# Altium PCB E-Nose&Alphasense.PcbDoc
Units mm, origin at the board's own origin, x right, y up, seen from the top; angles counter-clockwise.
Board outline 95.89 x 71.91 mm, 2 copper layers (Top Layer, Bottom Layer); 136 components, 70 nets, 400 pads, 278 vias.
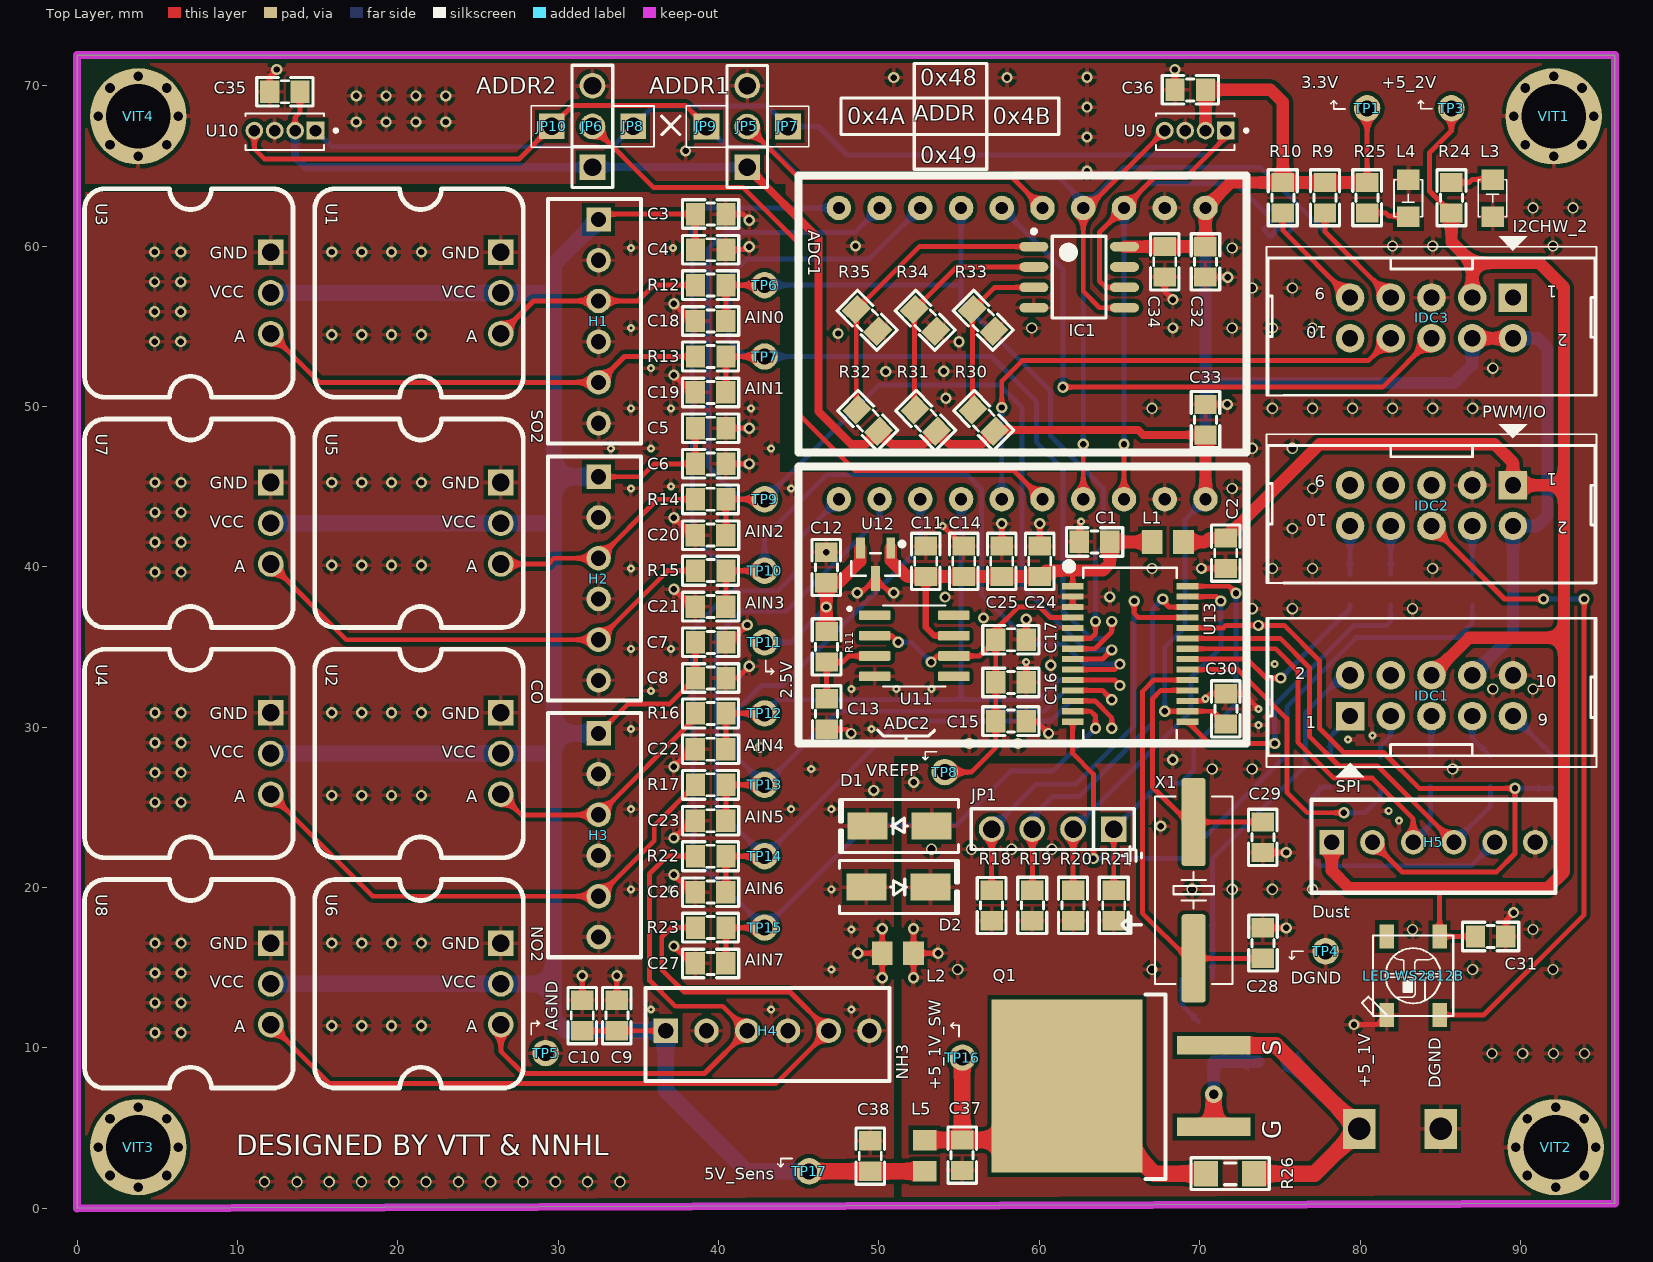
[diagram p0: Top Layer view]
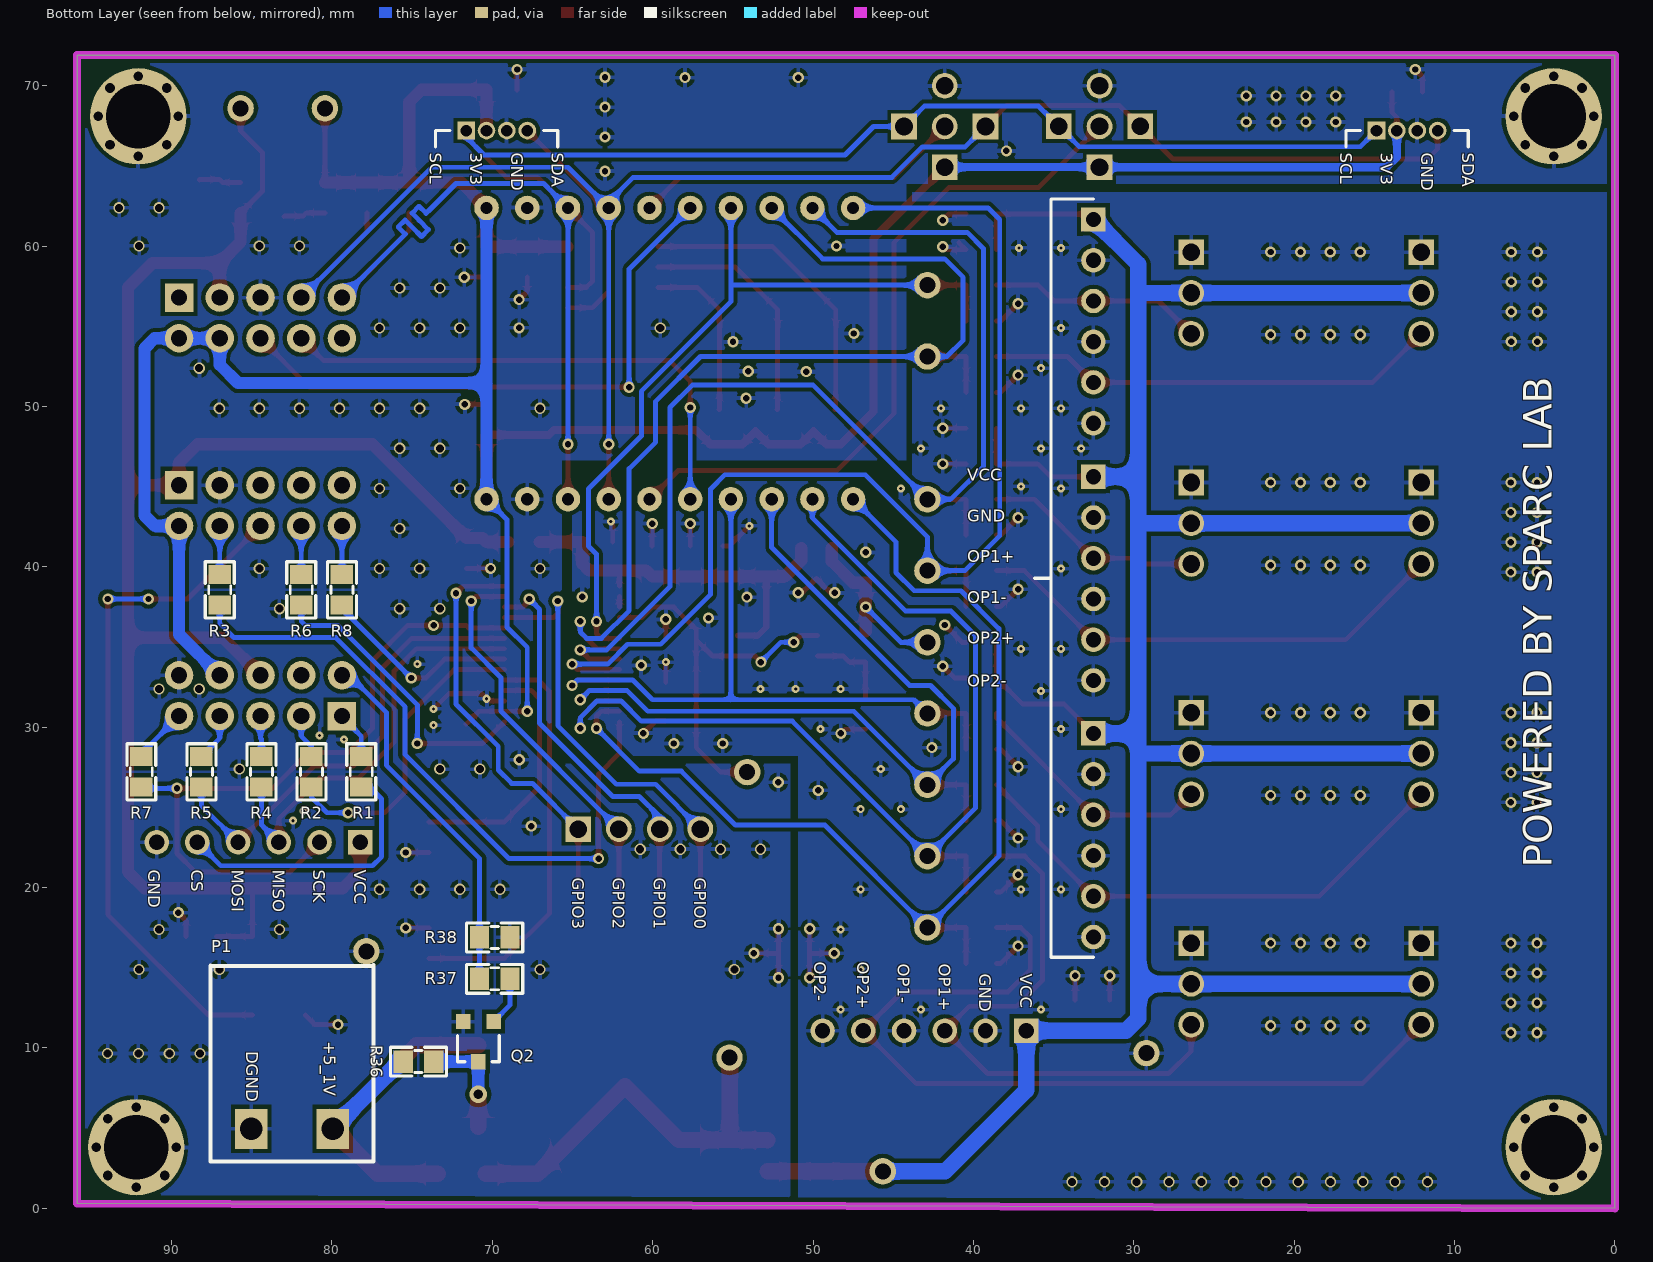
[diagram p1: Bottom Layer view, seen from below]

## Layer stack, top to bottom
Top Solder: solder mask 0.0102, Solder Resist, Dk 3.5
Top Layer: signal copper 0.0356
Dielectric 1: dielectric 0.32, FR-4, Dk 4.8
Bottom Layer: signal copper 0.0356
Bottom Solder: solder mask 0.0102, Solder Resist, Dk 3.5

## Board outline
0,0 0,71.907 95.885,71.907 95.885,0.303

## Design rules (kind name [scope] priority, off if disabled: settings)
Clearance [All] p1: gap=0.254 ignorepadtopadclearanceinfootprint=FALSE except(0: Arc-Hole Track-Hole SMDPad-Hole THPad-Hole Via-Hole Fill-Hole Poly-Hole Region-Hole Text-Hole; 0.305: Arc-Arc Arc-Track Track-Track)
ComponentClearance [All] p1: gap=0 collisioncheckmode=3 verticalgap=0.254 showdistances=FALSE
PolygonConnect [All] p1: connectstyle=Relief reliefconductorwidth=0.254 reliefentries=4 polygonreliefangle="90 Angle" airgapwidth=0.254
RoutingVias [All] p1: holewidth=0.4 width=0.7 viastyle="Through Hole" minholewidth=0.2 minwidth=0.5 maxholewidth=0.6 maxwidth=1.1
SolderMaskExpansion [All] p1: expansion=0.102
Width [All] p1: maxlimit=1.016 minlimit=0.305 preferedwidth=0.762
29 further rules are at their usual default settings.

## Classes and differential pairs
component class [5]EEPROM: C34 IC1 R30 R31 R32 R33 R34 R35
component class [4]ADC&Filter: ADC1 ADC2 C11 C12 C13 C14 C15 C16 C17 C18 C19 C20 C21 C22 C23 C24 C25 C26 C27 C28 C29 C30 C32 C33 JP1 JP5 JP6 JP7 JP8 JP9 JP10 R11 R12 R13 R14 R15 R16 R17 R18 R19 R20 R21 R22 R23 TP6 TP7 TP8 TP9 TP10 TP11 TP12 TP13 TP14 TP15 U11 U12 U13 X1
component class [3]Sensor: C3 C4 C5 C6 C7 C8 C9 C10 C35 C36 H1 H2 H3 H4 H5 U1 U2 U3 U4 U5 U6 U7 U8 U9 U10
component class [2]IDC_Terminal: C1 C2 C31 C37 C38 D1 D2 IDC1 IDC2 IDC3 L1 L2 L3 L4 L5 "LED WS2812B" P1 Q1 Q2 R1 R2 R3 R4 R5 R6 R7 R8 R9 R10 R24 R25 R26 R36 R37 R38 TP1 TP3 TP4 TP5 TP16 TP17
component class [1]SheetMain: VIT1 VIT2 VIT3 VIT4

## Components (designator, comment, footprint, x,y, rotation, side; value= is the part's Value field where it differs from the comment)
ADC1 "ADS1115 Module" ADS1115 58.958,56.082 r270 top locked
ADC2 "ADS1115 Module" ADS1115 58.958,37.921 r270 top locked
C1 "105" "tu 0805" 63.443,41.551 r180 top
C2 "105" "tu 0805" 71.628,40.859 r270 top
C3 "103" "tu 0805" 39.5,62.004 r0 top
C4 "104" "tu 0805" 39.5,59.779 r0 top
C5 "103" "tu 0805" 39.5,48.65 r0 top
C6 "104" "tu 0805" 39.5,46.425 r0 top
C7 "103" "tu 0805" 39.5,35.296 r0 top
C8 "104" "tu 0805" 39.5,33.07 r0 top
C9 "103" "tu 0805" 33.652,12.02 r90 top
C10 "104" "tu 0805" 31.489,12.02 r90 top
C11 "104" "tu 0805" 52.913,40.341 r90 top
C12 "106" "tu 0805" 46.714,39.96 r90 top
C13 "105" "tu 0805" 46.739,30.829 r270 top
C14 "104" "tu 0805" 55.284,40.341 r90 top
C15 "476" "tu 0805" 58.228,30.381 r0 top
C16 "104" "tu 0805" 58.228,32.794 r0 top
C17 "106" "tu 0805" 58.228,35.461 r0 top
C18 "104" "tu 0805" 39.5,55.327 r180 top
C19 "104" "tu 0805" 39.5,50.876 r180 top
C20 "104" "tu 0805" 39.5,41.973 r180 top
C21 "104" "tu 0805" 39.5,37.522 r180 top
C22 "104" "tu 0805" 39.5,28.619 r180 top
C23 "104" "tu 0805" 39.5,24.168 r180 top
C24 "106" "tu 0805" 60.025,40.341 r90 top
C25 "104" "tu 0805" 57.655,40.341 r90 top
C26 "104" "tu 0805" 39.5,19.716 r180 top
C27 "104" "tu 0805" 39.5,15.265 r180 top
C28 "18pF" "tu 0805" 73.945,16.541 r270 top
C29 "18pF" "tu 0805" 73.938,23.133 r90 top
C30 "105" "tu 0805" 71.628,31.14 r90 top
C31 "104" "tu 0805" 88.138,16.953 r0 top
C32 "105" "tu 0805" 70.361,59.023 r270 top
C33 "105" "tu 0805" 70.358,49.174 r90 top
C34 "105" "tu 0805" 67.818,59.023 r90 top
C35 "104" "tu 0805" 12.954,69.621 r180 top
C36 "104" "tu 0805" 69.416,69.745 r180 top
C37 "105" "tu 0805" 55.189,3.316 r270 top
C38 "105" "tu 0805" 49.452,3.251 r90 top
D1 "SS14" "DIODE SMA" 51.278,23.839 r180 top
D2 "SS14" "DIODE SMA" 51.211,20.029 r0 top
H1 "SO2" "Molex 6p" 32.512,61.661 r270 top
H2 "CO" "Molex 6p" 32.512,45.618 r270 top
H3 "NO2" "Molex 6p" 32.512,29.616 r270 top
H4 "NH3" "Molex 6p" 36.703,11.074 r0 top
H5 "Dust" "Molex 6p" 78.232,22.823 r0 top
IC1 "24Cxx" SO8 62.484,58.064 r0 top
IDC1 "SPI" IDC10 84.455,32.094 r0 top value="Header 5x2"
IDC2 "PWM/IO" IDC10 84.455,43.694 r180 top value="Header 5x2"
IDC3 "I2CHW_2" IDC10 84.455,55.397 r180 top value="Header 5x2"
JP1 "ADS_GPIO_Pinout" "JP 1x4 DT" 64.643,23.647 r180 top
JP5 "JP 1x3 2.54" "JP 1x3 DT" 41.783,64.922 r90 top
JP6 "JP 1x3 2.54" "JP 1x3 DT" 32.131,64.927 r90 top
JP7 "JP 1x1 2.54" "JP 1x1 DT" 44.323,67.462 r0 top
JP8 "JP 1x1 2.54" "JP 1x1 DT" 34.671,67.467 r0 top
JP9 "JP 1x1 2.54" "JP 1x1 DT" 39.243,67.462 r90 top
JP10 "JP 1x1 2.54" "JP 1x1 DT" 29.591,67.467 r90 top
L1 "10uH" "Inductor 0805" 68.015,41.551 r0 top
L2 "10uH" "Inductor 0805" 51.181,15.9 r180 top
L3 "LED 0805" LED-0805-Red 88.265,64.13 r270 top
L4 "LED 0805" LED-0805-Red 83.007,61.844 r90 top
L5 "10uH" "Inductor 0805" 52.841,3.279 r90 top
"LED WS2812B" "LED WS2812B" LED-WS2812B 83.312,14.503 r90 top
P1 "CON 2 EDG5.08" "CON 2 2EDG5.08" 85.031,4.953 r180 bottom
Q1 "IRF9540 TO-263" TO-263-3_MOSFET 66.297,7.62 r90 top
Q2 "2N222" SOT23-231 70.872,10.394 r0 bottom value=C1815
R1 "100R" "tro smd 0805" 78.232,27.215 r90 bottom
R2 "100R" "tro smd 0805" 81.343,27.215 r90 bottom
R3 "100R" "tro smd 0805" 87.056,38.568 r90 bottom
R4 "100R" "tro smd 0805" 84.455,27.215 r90 bottom
R5 "100R" "tro smd 0805" 88.201,27.215 r90 bottom
R6 "100R" "tro smd 0805" 81.976,38.568 r90 bottom
R7 "100R" "tro smd 0805" 91.948,27.215 r90 bottom
R8 "100R" "tro smd 0805" 79.436,38.568 r90 bottom
R9 "4.7k" "tro smd 0805" 77.874,63.017 r270 top
R10 "4.7k" "tro smd 0805" 75.245,63.017 r270 top
R11 "10k" "tro smd 0805" 46.797,35.015 r270 top
R12 "1k" "tro smd 0805" 39.497,57.629 r0 top
R13 "1k" "tro smd 0805" 39.497,53.178 r0 top
R14 "1k" "tro smd 0805" 39.497,44.275 r0 top
R15 "1k" "tro smd 0805" 39.497,39.824 r0 top
R16 "1k" "tro smd 0805" 39.497,30.921 r0 top
R17 "1k" "tro smd 0805" 39.497,26.47 r0 top
R18 "10k" "tro smd 0805" 56.962,18.883 r90 top
R19 "10k" "tro smd 0805" 59.624,18.891 r270 top
R20 "10k" "tro smd 0805" 62.164,18.891 r270 top
R21 "10k" "tro smd 0805" 64.704,18.891 r270 top
R22 "1k" "tro smd 0805" 39.497,22.018 r0 top
R23 "1k" "tro smd 0805" 39.497,17.567 r0 top
R24 "1k" "tro smd 0805" 85.634,63.017 r90 top
R25 "330R" "Tro SMD 0805" 80.376,63.017 r90 top
R26 "0R" "tro smd 1206" 71.899,2.159 r180 top
R30 "0R" "tro smd 0805" 56.576,49.171 r315 top
R31 "0R" "tro smd 0805" 52.956,49.171 r315 top
R32 "0R" "tro smd 0805" 49.337,49.171 r315 top
R33 "0R" "tro smd 0805" 56.454,55.327 r135 top
R34 "0R" "tro smd 0805" 52.835,55.327 r135 top
R35 "0R" "tro smd 0805" 49.215,55.327 r135 top
R36 "1k" "tro smd 0805" 74.601,9.083 r0 bottom
R37 "1k" "tro smd 0805" 69.856,14.372 r180 bottom
R38 "10k" "tro smd 0805" 69.856,16.952 r180 bottom
TP1 "3.3V" pad_1.65x1.65_hole_1mm 80.437,68.595 r0 top
TP3 "+5_2V" pad_1.65x1.65_hole_1mm 85.695,68.595 r180 top
TP4 "DGND" pad_1.65x1.65_hole_1mm 77.851,16.027 r90 top
TP5 "AGND" pad_1.65x1.65_hole_1mm 29.21,9.677 r0 top
TP6 "AIN0" pad_1.65x1.65_hole_1mm 42.864,57.568 r90 top
TP7 "AIN1" pad_1.65x1.65_hole_1mm 42.864,53.117 r90 top
TP8 "VREFP" pad_1.65x1.65_hole_1mm 54.102,27.203 r90 top
TP9 "AIN2" pad_1.65x1.65_hole_1mm 42.864,44.214 r90 top
TP10 "AIN3" pad_1.65x1.65_hole_1mm 42.864,39.763 r90 top
TP11 "2.5V" pad_1.65x1.65_hole_1mm 42.867,35.293 r90 top
TP12 "AIN4" pad_1.65x1.65_hole_1mm 42.864,30.86 r90 top
TP13 "AIN5" pad_1.65x1.65_hole_1mm 42.864,26.409 r90 top
TP14 "AIN6" pad_1.65x1.65_hole_1mm 42.864,21.957 r90 top
TP15 "AIN7" pad_1.65x1.65_hole_1mm 42.864,17.506 r90 top
TP16 "+5_1V_SW" pad_1.65x1.65_hole_1mm 55.207,9.395 r90 top
TP17 "5V_Sens" pad_1.65x1.65_hole_1mm 45.649,2.306 r90 top
U1 "MEMS odor smell sensor" MEMS_odor_sensor 26.416,57.081 r90 top
U2 "MEMS odor smell sensor" MEMS_odor_sensor 26.416,28.357 r90 top
U3 "MEMS odor smell sensor" MEMS_odor_sensor 12.065,57.081 r90 top
U4 "MEMS odor smell sensor" MEMS_odor_sensor 12.065,28.357 r90 top
U5 "MEMS odor smell sensor" MEMS_odor_sensor 26.416,42.719 r90 top
U6 "MEMS odor smell sensor" MEMS_odor_sensor 26.416,13.995 r90 top
U7 "MEMS odor smell sensor" MEMS_odor_sensor 12.065,42.719 r90 top
U8 "MEMS odor smell sensor" MEMS_odor_sensor 12.065,13.995 r90 top
U9 "SHT85" XDCR_SHT85 69.726,67.208 r180 top
U10 "SHT85" XDCR_SHT85 12.954,67.208 r180 top
U11 "OPA350UA" "SOIC 8_127P599X175" 52.197,35.077 r0 top
U12 "REF2925" SOT23-DBZ3 49.784,40.157 r180 top
U13 "ADS1256IDBR - SSOPDB28" SSOPDB28 65.659,34.569 r0 top
VIT1 "1" "Screw Hole 4mm" 92.075,68.097 r0 top
VIT2 "1" "Screw Hole 4mm" 92.202,3.81 r0 top
VIT3 "1" "Screw Hole 4mm" 3.81,3.81 r0 top
VIT4 "1" "Screw Hole 4mm" 3.81,68.097 r0 top
X1 "7.68MHz" "Thach Anh 2 chan SMD" 69.623,19.837 r270 top value=4Mhz

## Footprints (in the part's own frame and the unit in brackets; to place one, negate y for a bottom-side part, rotate by r counter-clockwise, add the part's x,y. Pads: shape width x height; smd on the part's side, far side on the other; paste and mask are expansions set on the pad)
ADS1115 [mil] "ADS1115 Module Footprint"
  round 60 hole 30: 1(-248.03,448.82) 2(-248.03,348.82) 3(-248.03,248.82) 4(-248.03,148.82) 5(-248.03,48.82) 6(-248.03,-51.18) 7(-248.03,-151.18) 8(-248.03,-251.18) 9(-248.03,-351.18) 10(-248.03,-451.18)
  silkscreen extent -328,-550 352,550, body extent -328,-550 352,550, height 265
"CON 2 2EDG5.08" [mm]
  rect 2x2.5 hole 1.4: 1(0,0) 2(5.08,0)
  silkscreen extent -2.54,-2.03 7.62,10.21, body extent -2.5,-1.75 7.58,10.25, height 3.15
"DIODE SMA" [mm] "SMA"
  rect 2.5x1.7 smd: 1(-2,0) 2(2,0)
  silkscreen extent -3.68,-1.65 3.75,1.65, body extent -2.6,-1.37 2.6,1.37, height 2.4
IDC10 [mil]
  rect 70x70 hole 40: 1(-200,-55)
  round 70 hole 40: 2(-200,45) 3(-100,-55) 4(-100,45) 5(0,-55) 6(0,45) 7(100,-55) 8(100,45) 9(200,-55) 10(200,45)
  silkscreen extent -405,-205 405,186, body extent -400,-178 400,180, height 366
"Inductor 0805" [mm]
  rect 1.285x1.47 smd: 1(-0.973,0) 2(0.973,0)
  body extent -1,-0.63 1,0.63, height 1
"JP 1x1 DT" [mm] "1pins, 1 row, straight, gold plating"
  rect 1.6x1.6 hole 1.1: 1(0,0)
  silkscreen extent -1.3,-1.27 1.3,1.27, body extent -1.27,-1.27 1.27,1.27, height 8.54
"JP 1x3 DT" [mm]
  rect 1.6x1.6 hole 1.1: 1(0,0)
  round 1.6 hole 1.1: 2(2.54,0) 3(5.08,0)
  silkscreen extent -1.27,-1.27 6.35,1.27, body extent -1.27,-1.27 6.35,1.27, height 8.54
"JP 1x4 DT" [mm] "4 pins, 1 row, straight, gold plating"
  rect 1.6x1.6 hole 1.1: 1(0,0)
  round 1.6 hole 1.1: 2(2.54,0) 3(5.08,0) 4(7.62,0)
  silkscreen extent -1.27,-1.27 8.89,1.27, body extent -1.27,-1.27 8.89,1.27, height 8.54
LED-0805-Red [mil]
  rect 50x55 smd: 1(0,0) 2(90,0)
  silkscreen extent 0,-35 90,35, body extent 5,-25 85,25, height 43
LED-WS2812B [mm]
  rect 1.5x0.9 smd: 1-VDD(2.45,-1.65) 2-DOUT(2.45,1.65) 3-GND(-2.45,1.65) 4-DIN(-2.45,-1.65)
  silkscreen extent -2.5,-2.5 2.5,3.2, body extent -2.7,-2.54 2.7,2.46, height 1.6
MEMS_odor_sensor [mm] "DFRobot"
  rect 1.6x1.6 hole 1.1: 1(2.54,0)
  round 1.6 hole 1.1: 2(0,0) 3(-2.54,0)
  silkscreen extent -6.5,-1.4 6.5,11.6
"Molex 6p" [mil]
  rect 60x60 hole 37.4: 1(0,0)
  round 60 hole 37.4: 2(100,0) 3(200,0) 4(300,0) 5(400,0) 6(500,0)
  silkscreen extent -50,-124 550,105, body extent -50,-124 550,104, height 445
pad_1.65x1.65_hole_1mm [mm]
  round 1.65 hole 1: 1(0,0)
"Screw Hole 4mm" [mm]
  round 0.6 hole 0.6: 1(-2.5,0) 1(-1.768,-1.768) 1(-1.768,1.768) 1(0,-2.5) 1(0,2.5) 1(1.768,-1.768) 1(1.768,1.768) 1(2.5,0)
  round 6 hole 4: 1(0,0)
SO8 [mm] "SOIC, 8-Leads, Body 4.9x3.9mm, Pitch 1.27mm, IPC High Density"
  oval 1.8x0.6 smd: 1(-2.825,1.905) 2(-2.825,0.635) 3(-2.825,-0.635) 4(-2.825,-1.905) 5(2.825,-1.905) 6(2.825,-0.635) 7(2.825,0.635) 8(2.825,1.905)
  silkscreen extent -2.95,-2.55 1.68,2.98, body extent -2.99,-2.45 3,2.45, height 1.6
"SOIC 8_127P599X175" [mm]
  rrect25% 1.97x0.6 smd: 1(-2.47,1.905) 2(-2.47,0.635) 3(-2.47,-0.635) 4(-2.47,-1.905) 5(2.47,-1.905) 6(2.47,-0.635) 7(2.47,0.635) 8(2.47,1.905)
  silkscreen extent -4.14,-2.52 1.95,2.52, body extent -3,-2.45 3,2.45, height 1.75
SOT23-231 [mm]
  rect 0.9x0.95 smd mask+0: 1(0.95,-1.25)
  rect 0.9x0.95 smd: 2(-0.95,-1.25) 3(0,1.25)
  silkscreen extent -1.3,-0.38 1.3,1.25, body extent -1.52,-1.23 1.48,1.27, height 1.06
SOT23-DBZ3 [mil] "CASE: SOT23"
  rect 22x52 smd: 1(-37.4,-40) 2(37.4,-40)
  rect 22x62.5 smd: 3(0,34.75)
  silkscreen extent -70,-55 60,28, body extent -60,-27 60,27, height 44
SSOPDB28 [mil]
  rect 53x15 smd paste+0 mask+0: 1(-141,166.34) 2(-141,140.75) 3(-141,115.16) 4(-141,89.57) 5(-141,63.98) 6(-141,38.39) 7(-141,12.8) 8(-141,-12.8) 9(-141,-38.39) 10(-141,-63.98) 11(-141,-89.57) 12(-141,-115.16) 13(-141,-140.75) 14(-141,-166.34) 15(141,-166.34) 16(141,-140.75) 17(141,-115.16) 18(141,-89.57) 19(141,-63.98) 20(141,-38.39) 21(141,-12.8) 22(141,12.8) 23(141,38.39) 24(141,63.98) 25(141,89.57) 26(141,115.16) 27(141,140.75) 28(141,166.34)
  silkscreen extent -158,-212 115,223, body extent -161,-206 161,206, height 79
"Thach Anh 2 chan SMD" [mm] "SMD Crystal HC49/US-SM package"
  round 0.508 on Mech15: 0(0,0)
  rrect25% 5.5x1.5 smd: 1(-4.25,0) 2(4.25,0)
  silkscreen extent -5.84,-2.41 5.84,2.41, body extent -6.4,-2.41 6.4,2.42, height 4.29
TO-263-3_MOSFET [mm] "CASE: TO-263"
  rect 1.15x4.6 smd: 1(-2.54,-4.575) 3(2.54,-4.575)
  rect 10.8x9.4 smd: 2(0,4.575)
  silkscreen extent -5.79,-1.57 5.71,-0.32, body extent -5.05,-6.47 5.05,8.92, height 4.51
"tro smd 0805" [mm]
  rect 1.2x1.4 smd: 1(-0.946,-0.061) 2(0.954,-0.061)
  silkscreen extent -1.75,-0.97 1.75,0.84, body extent -1.56,-0.76 1.44,0.64, height 0.53
"Tro SMD 0805" [mm]
  rect 1.2x1.4 smd: 1(-0.946,-0.061) 2(0.954,-0.061)
  silkscreen extent -1.75,-0.97 1.75,0.84, body extent -1.56,-0.76 1.44,0.64, height 0.53
"tro smd 1206" [mm]
  rect 1.5x1.6 smd: 1(-1.5,0) 2(1.5,0)
  silkscreen extent -2.44,-0.99 2.44,0.99, body extent -1.6,-0.8 1.6,0.8, height 0.6
"tu 0805" [mm] "Compoment SMD 80x50mil"
  rect 1.2x1.4 smd: 1(-0.946,-0.003) 2(0.954,-0.003)
  silkscreen extent -1.75,-0.89 1.75,0.89, body extent -1.01,-0.64 1.01,0.63, height 0.61
XDCR_SHT85 [mm]
  rect 1.1x1.1 hole 0.72: 1(-1.905,0)
  round 1.1 hole 0.72: 2(-0.635,0) 3(0.635,0) 4(1.905,0)
  silkscreen extent -3.27,-1.05 2.45,1.2, body extent -2.54,-1.05 2.54,1.2, height 14.88

## Part data
ADC1 ADC2: library part "ADS1115 Module ADC"
C1 C2 C13 C30 C32 C33 C34 C37 C38: library part "Tu 0805 105 50V 10%", "Dán", Chung_Loai=Dán, Don_Vi=Con, Ma_Hang=MH004552, So_Chan=2, Ten_Linh_Kien="T? 0805 105-1uF 10% 50V"
C3 C5 C7 C9: library part "Tu 0805 103 50V 10%_1", "Dán", Chung_Loai=Dán, Don_Vi=Con, Ma_Hang=MH004549, So_Chan=2, Ten_Linh_Kien="T? 0805 102-1nF 10% 50V"
C4 C6 C8 C10 C11 C14 C16 C18 C19 C20 C21 C22 C23 C25 C26 C27 C31 C35 C36: library part "Tu 0805 104 50V 10%", "Dán", Chung_Loai=Dán, Don_Vi=Con, Ma_Hang=MH004551, So_Chan=2, Ten_Linh_Kien="T? 0805 104-100nF 10% 50V"
C12 C17 C24: library part "Tu 0805 106 16V 10%", "Dán", Chung_Loai=Dán, Don_Vi=Con, Ma_Hang=MH004553, So_Chan=2, Ten_Linh_Kien="T? 0805 106-10uF 10% 16V"
C15: library part "Tu 0805 475 25V 20%", "Dán", Chung_Loai=Dán, Don_Vi=Con, Ma_Hang=MH004276, So_Chan=2, Ten_Linh_Kien="T? 0805 475-4.7uF 20% 25V"
C28 C29: library part "Tu 0805 18pF 50V 10%_1", "Dán", Chung_Loai=Dán, Don_Vi=Con, Ma_Hang=MH004558, So_Chan=2, Ten_Linh_Kien="T? 0805 20P 10% 50V"
D1 D2: library part "Diode SS14 ( 1N5819)", "Dán", Chung_Loai=Dán, Don_Vi=Con, Ma_Hang=MH002211, Ten_Linh_Kien="Diode SS14 DO214 Schottky 1A 40V ( 1N5819 DO214)"
H1 H2 H3 H4 H5: library part "Molex 6p"
IC1: "Standard 2-Wire Bus Interface Serial EEPROM", Copyright by=VanDungEvn
IDC1 IDC2 IDC3: library part "IDC 5X2"
JP1: library part "JP 1x4 2.54 Duc Thang", "C?m", Chung_Loai=C?m, Don_Vi=Con, Ma_Hang=MH000903, Ten_Linh_Kien="Jump Ðon Ð?c 2.54MM 1x40P Th?ng 11MM"
JP5 JP6: library part "JP 1x3 2.54 Duc Thang", "C?m", Chung_Loai=C?m, Don_Vi=Con, Ma_Hang=MH000903, Ten_Linh_Kien="Jump Ðon Ð?c 2.54MM 1x40P Th?ng 11MM"
JP7 JP8 JP9 JP10: library part "JP 1x1 2.54 Duc Thang", "C?m", Chung_Loai=C?m, Don_Vi=Con, Ma_Hang=MH000903, Ten_Linh_Kien="Jump Ðon Ð?c 2.54MM 1x40P Th?ng 11MM"
L1 L2 L5: library part "Cuon cam 0805", "1.5µH Unshielded Multilayer Inductor 700mA 220mOhm 0805 (2012 Metric)", Package="0805 Laird", Availability="Not in stock", Check_prices=https://www.snapeda.com/parts/CPI0805G1R5R-10/Laird/view-part/5881135/?ref=eda, MF=Laird, MP=CPI0805G1R5R-10, Price=None, SnapEDA_Link=https://www.snapeda.com/parts/CPI0805G1R5R-10/Laird/view-part/5881135/?ref=snap
L3 L4: library part "LED 0805 Do", "Dán", Chung_Loai=Dán, Don_Vi=Con, Ma_Hang=MH000897, Ten_Linh_Kien="LED 0805 Màu Ð? (Red)"
P1: "C?m", Chung_Loai=C?m, Don_Vi=Con, Ma_Hang=MH000759, Ten_Linh_Kien="CON 2 2EDG5.08-2P 5.08MM ( Xanh Cong)"
Q1: library part "IRF9540 SMD", "P-Channel Power MOSFET", ComponentLink1Description="Manufacturer Link", ComponentLink1URL=http://www.irf.com/, ComponentLink2Description=Datasheet, ComponentLink2URL=http://www.irf.com/product-info/datasheets/data/irf9540.pdf, DatasheetVersion=PD-9.421C, LatestRevisionDate=17-Jul-2002, LatestRevisionNote="Re-released for DXP Platform.", Note="Pin 2 is electrically connected to pin 4.", PackageDescription="TO, Thru-Hole, Vertical, Heatsink Mounted; 3 In-Line Leads; Pitch 2.54 mm", PackageReference=TO-220AB, PackageVersion=Feb-1997, Published=8-Jun-2000, Publisher="Altium Limited"
Q2: "NPN 600mW, ECB", =C2383
R1 R2 R3 R4 R5 R6 R7 R8: library part "Tro 0805 5% 100R", "Dán", Chung_Loai=Dán, Don_Vi=Con, Ma_Hang=MH005251, So_Chan=2, Ten_Linh_Kien="Tr? 0805 5% 100R"
R9 R10: library part "Tro 0805 5% 4.7k", "Dán", Chung_Loai=Dán, Don_Vi=Con, Ma_Hang=MH005307, So_Chan=2, Ten_Linh_Kien="Tr? 0805 5% 4.7k"
R11 R18 R19 R20 R21 R38: library part "Tro 0805 1% 10k", "Dán", Chung_Loai=Dán, Don_Vi=Con, Ma_Hang=MH005473, So_Chan=2, Ten_Linh_Kien="Tr? 0805 1% 10k"
R12 R13 R14 R15 R16 R17 R22 R23 R36 R37: library part "Tro 0805 1% 1k", "Dán", Chung_Loai=Dán, Don_Vi=Con, Ma_Hang=MH005468, So_Chan=2, Ten_Linh_Kien="Tr? 0805 1% 1k"
R24: library part "Tro 0805 5% 1k", "Dán", Chung_Loai=Dán, Don_Vi=Con, Ma_Hang=MH005234, So_Chan=2, Ten_Linh_Kien="Tr? 0805 5% 1k"
R25: library part "Tro 0805 5% 330R", "Dán", Chung_Loai=Dán, Don_Vi=Con, Ma_Hang=MH005337, So_Chan=2, Ten_Linh_Kien="Tr? 0805 5% 330R"
R26: library part "Tro 1206 5% 0R", "Dán", Chung_Loai=Dán, Don_Vi=Con, Ma_Hang=MH005902, So_Chan=2, Ten_Linh_Kien="Tr? 1206 5% 0R"
R30 R31 R32 R33 R34 R35: library part "Tro 0805 5% 0R", "Dán", Chung_Loai=Dán, Don_Vi=Con, Ma_Hang=MH005230, So_Chan=2, Ten_Linh_Kien="Tr? 0805 5% 0R"
TP1 TP3 TP4 TP5 TP6 TP7 TP8 TP9 TP10 TP11 TP12 TP13 TP14 TP15 TP16 TP17: library part "Test Point", "Test Point", PackageDocument=20-Nov-2001, ComponentLink1Description="Manufacturer Link", ComponentLink1URL=http://www.molex.com/, ComponentLink2Description=Datasheet, ComponentLink2URL=http://www.molex.com/cmc_upload/common_files/1212003_42878catalogpage.pdf, DatasheetDocument=20-Nov-2001, DrillSize="Nominal, Rounded to nearest 0.05mm", PackageReference=42878-4410, PCB_Layout="Complies with Manufacturer's Recommendation.", PCB_Mounting=Thru-Hole, PCB_Thickness="0.125\"", PerformanceCategory=3, Ports=1, Positions/Loaded="Port1 - 4/2", Published=25-Jun-2002, Publisher="Altium Limited"
U1 U2 U3 U4 U5 U6 U7 U8: "DFRobot MEMS Odor Smell Gas Detection Sensor"
U9 U10: "Humidity Temperature Sensor 0 ~ 100% RH Digital ±1.5% RH 8s Through Hole", Package="SIP-4 Sensirion AG", Digi-Key_Part_Number=1649-1110-ND, Digi-Key_Purchase_URL=https://www.digikey.com/product-detail/en/sensirion-ag/SHT85/1649-1110-ND/9666378?utm_source=snapeda&utm_medium=aggregator&utm_campaign=symbol, MF="Sensirion AG", MP=SHT85, SnapEDA_Link=https://www.snapeda.com/parts/SHT85/Sensirion%20AG/view-part/3601545/?ref=snap
U11: library part OPA350, "Op-amp OPA350"
U12: library part REF2925AIDBZR, "SOT-23 CMOS 2.5V Voltage Reference", Mfr_Name="Texas Instruments", RefDes=RefDes, Type=Type
U13: "Very Low Noise, 24-Bit Analog-to-Digital Converter", Mfr_Name="Texas Instruments", RefDes=RefDes, Type=Type
VIT1 VIT2 VIT3 VIT4: library part VIT, "Vit xuyen lo", Chung_Loai=C?m, Don_Vi=Con, Ma_Hang=MH002051, Ten_Linh_Kien="CON 2 KF142R 5.08MM"
X1: library part "Thach Anh 2 chan SMD", "Crystal For all Crystal 2pin."

## Via types
v1: diameter 0.7, hole 0.4, Top Layer to Bottom Layer, 165 vias
v2: diameter 0.7, hole 0.5, Top Layer to Bottom Layer, 67 vias
v3: diameter 0.5, hole 0.2, Top Layer to Bottom Layer, 45 vias
v4: diameter 1.1, hole 0.6, Top Layer to Bottom Layer, 1 vias
